# Altium PCB MatrixRE.PcbDoc (part 2 of 3)
Units mm, origin at the board's own origin, x right, y up, seen from the top; angles counter-clockwise.
Board outline 200 x 200.9 mm, 2 copper layers (Top Layer, Bottom Layer), stack 1.55 mm thick; 298 components, 208 nets, 865 pads, 440 vias.
Unrouted connection lines stored in the file: 1.
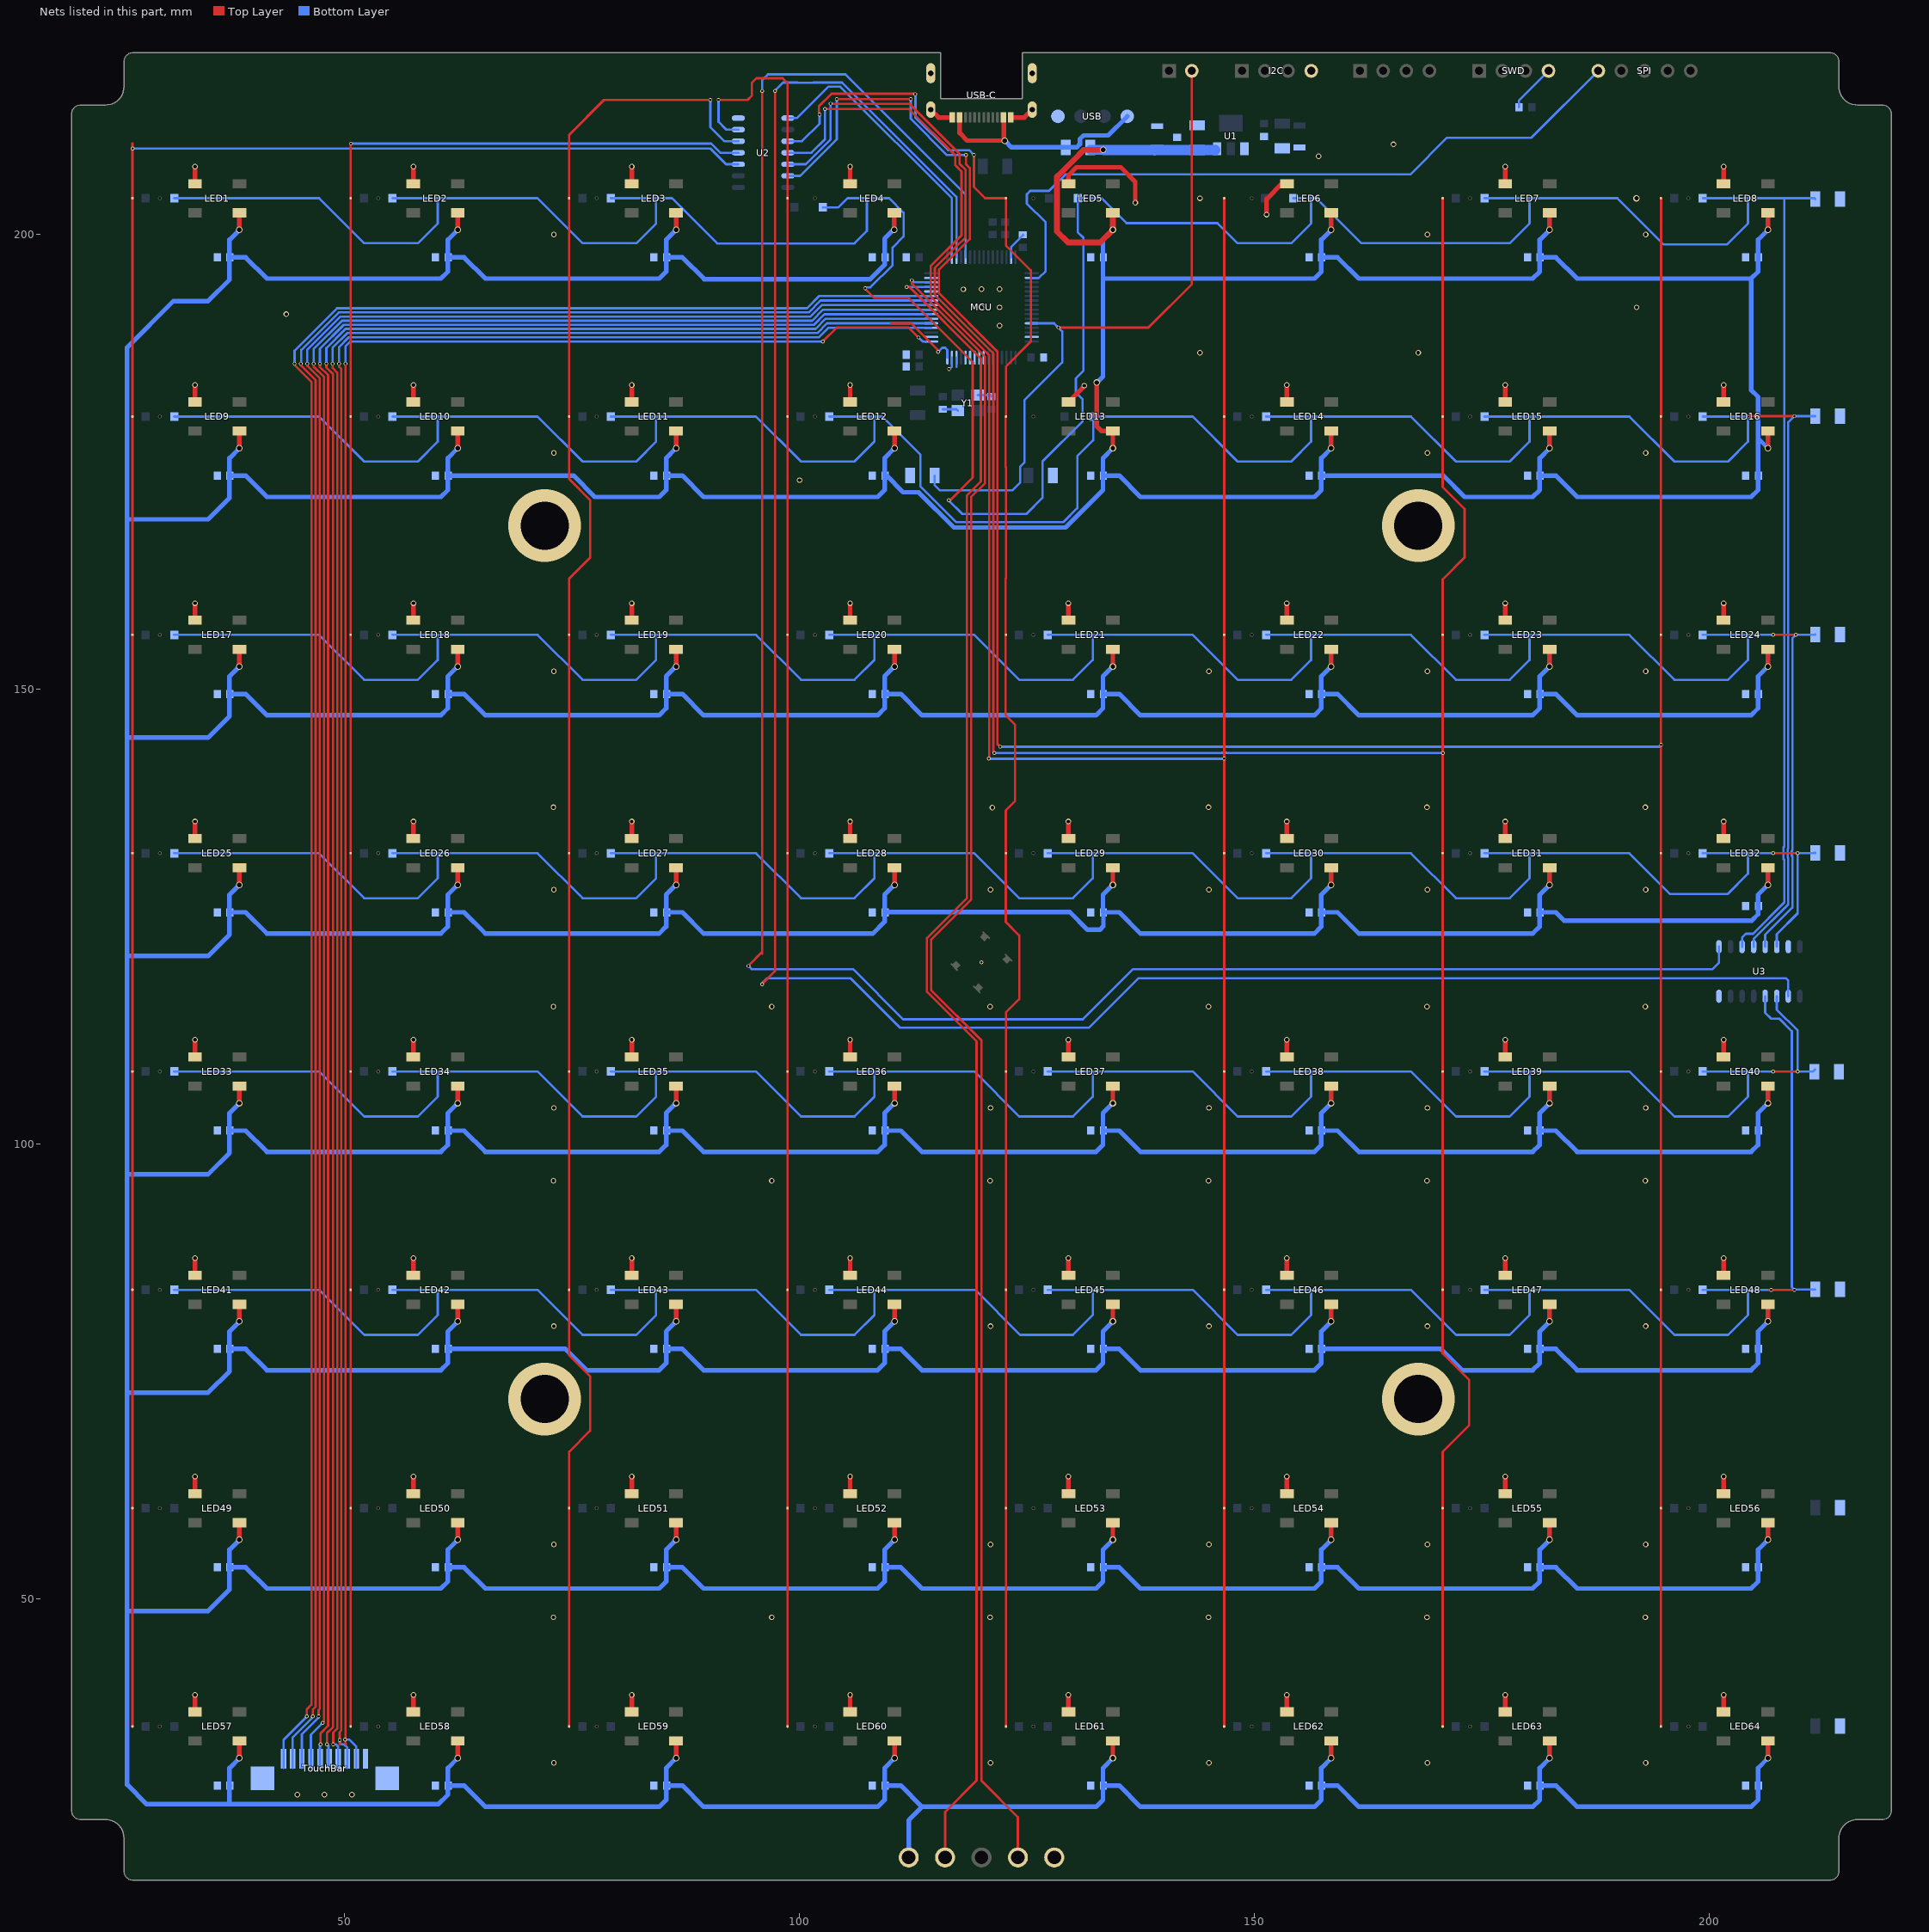
[diagram p2: the nets of this part, all layers, seen from the top]

## Via types
v1: diameter 0.406, hole 0.254, Top Layer to Bottom Layer, tented both sides, 214 vias
v2: diameter 0.61, hole 0.406, Top Layer to Bottom Layer, tented both sides, 142 vias
v3: diameter 0.711, hole 0.508, Top Layer to Bottom Layer, tented both sides, 71 vias
v4: diameter 0.305, hole 0.203, Top Layer to Bottom Layer, tented both sides, 9 vias
v5: diameter 8, hole 5.3, Top Layer to Bottom Layer, 4 vias

## Nets (pads, with @x,y where several pads share a name; then routed paths per layer and width w, separated by ;. In a path a pad name is that pad's centre, name@x,y a point inside that pad or via, vN(x,y) a via of type N, cw(c..) or ccw(c..) an arc to the next point about the centre after c; other vN are vias at no path point) (continued)
+5: C1.2@37.4,197.5 C2.2@61.4,197.5 C3.2@85.4,197.5 C4.2@109.4,197.5 C5.2@133.4,197.5 C6.2@157.4,197.5 C7.2 C8.2 C9.2 C10.2@181.4,173.5 C11.2@157.4,173.5 C12.2 C13.2@109.4,173.5 C14.2 C15.2 C16.2 C17.2 C18.2 C19.2 C20.2 C21.2 C22.2 C23.2 C24.2 C25.2 C26.2 C27.2 C28.2 C29.2 C30.2 C31.2 C32.2 C33.2 C34.2 C35.2 C36.2 C37.2 C38.2 C39.2 C40.2 C41.2 C42.2 C43.2 C44.2 C45.2 C46.2 C47.2 C48.2 C49.2 C50.2 C51.2 C52.2 C53.2 C54.2 C55.2 C56.2 C57.2 C58.2 C59.2 C60.2 C61.2 C62.2 C63.2 C64.2 D1.2@139.302,209.524 LED1.1 LED2.1 LED3.1 LED4.1 LED5.1 LED6.1 LED7.1 LED8.1 LED9.1 LED10.1 LED11.1 LED12.1 LED13.1 LED14.1 LED15.1 LED16.1 LED17.1 LED18.1 LED19.1 LED20.1 LED21.1 LED22.1 LED23.1 LED24.1 LED25.1 LED26.1 LED27.1 LED28.1 LED29.1 LED30.1 LED31.1 LED32.1 LED33.1 LED34.1 LED35.1 LED36.1 LED37.1 LED38.1 LED39.1 LED40.1 LED41.1 LED42.1 LED43.1 LED44.1 LED45.1 LED46.1 LED47.1 LED48.1 LED49.1 LED50.1 LED51.1 LED52.1 LED53.1 LED54.1 LED55.1 LED56.1 LED57.1 LED58.1 LED59.1 LED60.1 LED61.1 LED62.1 LED63.1 LED64.1 pad.5 PPTC.2 U1.3 | length 2174.4
  Top Layer w0.508: v3(38.438,32.52) LED57.1@38.438,34.4 ; v3(38.438,56.52) LED49.1@38.438,58.4 ; v3(38.438,80.52) LED41.1@38.438,82.4 ; v3(38.438,104.52) LED33.1@38.438,106.4 ; v3(38.438,128.52) LED25.1@38.438,130.4 ; v3(38.438,152.52) LED17.1@38.438,154.4 ; v3(38.438,176.52) LED9.1@38.438,178.4 ; v3(38.438,200.52) LED1.1@38.438,202.4 ; v3(62.438,32.52) LED58.1@62.438,34.4 ; v3(62.438,56.52) LED50.1@62.438,58.4 ; v3(62.438,80.52) LED42.1@62.438,82.4 ; v3(62.438,104.52) LED34.1@62.438,106.4 ; v3(62.438,128.52) LED26.1@62.438,130.4 ; v3(62.438,152.52) LED18.1@62.438,154.4 ; v3(62.438,176.52) LED10.1@62.438,178.4 ; v3(62.438,200.52) LED2.1@62.438,202.4 ; v3(86.438,32.52) LED59.1@86.438,34.4 ; v3(86.438,56.52) LED51.1@86.438,58.4 ; v3(86.438,80.52) LED43.1@86.438,82.4 ; v3(86.438,104.52) LED35.1@86.438,106.4 ; v3(86.438,128.52) LED27.1@86.438,130.4 ; v3(86.438,152.52) LED19.1@86.438,154.4 ; v3(86.438,176.52) LED11.1@86.438,178.4 ; v3(86.438,200.52) LED3.1@86.438,202.4 ; v3(110.4,200.52) 110.4,202.361 LED4.1@110.438,202.4 ; v3(110.438,32.52) LED60.1@110.438,34.4 ; v3(110.438,56.52) LED52.1@110.438,58.4 ; v3(110.438,80.52) LED44.1@110.438,82.4 ; v3(110.438,104.52) LED36.1@110.438,106.4 ; v3(110.438,128.52) LED28.1@110.438,130.4 ; v3(110.438,152.52) LED20.1@110.438,154.4 ; v3(110.438,176.52) LED12.1@110.438,178.4 ; v3(132.68,183.73) 132.68,178.91 133.19,178.4 LED13.1@134.438,178.4 v3(134.438,176.52) ; v3(134.438,32.52) LED61.1@134.438,34.4 ; v3(134.438,56.52) LED53.1@134.438,58.4 ; v3(134.438,80.52) LED45.1@134.438,82.4 ; v3(134.438,104.52) LED37.1@134.438,106.4 ; v3(134.438,128.52) LED29.1@134.438,130.4 ; v3(134.438,152.52) LED21.1@134.438,154.4 ; v3(158.438,32.52) LED62.1@158.438,34.4 ; v3(158.438,56.52) LED54.1@158.438,58.4 ; v3(158.438,80.52) LED46.1@158.438,82.4 ; v3(158.438,104.52) LED38.1@158.438,106.4 ; v3(158.438,128.52) LED30.1@158.438,130.4 ; v3(158.438,152.52) LED22.1@158.438,154.4 ; v3(158.438,176.52) LED14.1@158.438,178.4 ; v3(158.438,200.52) LED6.1@158.438,202.4 ; v3(182.438,32.52) LED63.1@182.438,34.4 ; v3(182.438,56.52) LED55.1@182.438,58.4 ; v3(182.438,80.52) LED47.1@182.438,82.4 ; v3(182.438,104.52) LED39.1@182.438,106.4 ; v3(182.438,128.52) LED31.1@182.438,130.4 ; v3(182.438,152.52) LED23.1@182.438,154.4 ; v3(182.438,176.52) LED15.1@182.438,178.4 ; v3(182.438,200.52) LED7.1@182.438,202.4 ; v3(206.438,32.52) LED64.1@206.438,34.4 ; v3(206.438,56.52) LED56.1@206.438,58.4 ; v3(206.438,80.52) LED48.1@206.438,82.4 ; v3(206.438,104.52) LED40.1@206.438,106.4 ; v3(206.438,128.52) LED32.1@206.438,130.4 ; v3(206.438,152.52) LED24.1@206.438,154.4 ; v3(206.438,176.52) LED16.1@206.438,178.4 ; v3(206.438,200.52) LED8.1@206.438,202.4
  Top Layer w0.635: 128.79,206.853 128.294,206.356 128.294,200.344 129.51,199.127 133.046,199.127 v3(134.438,200.52) LED5.1@134.438,202.4 ; 128.79,206.853 130.112,208.176 131.267,209.33 v3(133.37,209.33)
  Bottom Layer w0.508: C64.2@37.35,29.5 37.35,31.431 v3(38.438,32.52) ; C64.2@37.4,29.5 37.35,29.45 37.35,27.45 ; v3(38.438,56.52) 37.35,55.431 C56.2@37.35,53.5 ; v3(38.438,80.52) 37.35,79.431 C48.2@37.35,77.5 ; v3(38.438,104.52) 37.35,103.431 C40.2@37.35,101.5 ; v3(38.438,128.52) 37.35,127.431 C32.2@37.35,125.5 ; v3(38.438,152.52) 37.35,151.431 C24.2@37.35,149.5 ; v3(38.438,176.52) 37.35,175.431 C16.2@37.35,173.5 ; v3(38.438,200.52) 37.35,199.431 C1.2@37.35,197.5 ; v3(62.438,32.52) 61.35,31.431 C63.2@61.35,29.5 ; v3(62.438,56.52) 61.35,55.431 C55.2@61.35,53.5 ; v3(62.438,80.52) 61.35,79.431 C47.2@61.35,77.5 ; v3(62.438,104.52) 61.35,103.431 C39.2@61.35,101.5 ; v3(62.438,128.52) 61.35,127.431 C31.2@61.35,125.5 ; v3(62.438,152.52) 61.35,151.431 C23.2@61.35,149.5 ; v3(62.438,176.52) 61.35,175.431 C15.2@61.35,173.5 ; v3(62.438,200.52) 61.35,199.431 C2.2@61.35,197.5 ; v3(86.438,32.52) 85.35,31.431 C62.2@85.35,29.5 ; v3(86.438,56.52) 85.35,55.431 C54.2@85.35,53.5 ; v3(86.438,80.52) 85.35,79.431 C46.2@85.35,77.5 ; v3(86.438,104.52) 85.35,103.431 C38.2@85.35,101.5 ; v3(86.438,128.52) 85.35,127.431 C30.2@85.35,125.5 ; v3(86.438,152.52) 85.35,151.431 C22.2@85.35,149.5 ; v3(86.438,176.52) 85.35,175.431 C14.2@85.35,173.5 ; v3(86.438,200.52) 85.35,199.431 C3.2@85.35,197.5 ; v3@110.25,200.45 109.35,199.55 109.35,196.68 107.77,195.1 89.531,195.1 87.131,197.5 C3.2@85.35,197.5 ; v3(110.438,32.52) 109.35,31.431 C61.2@109.35,29.5 ; v3(110.438,56.52) 109.35,55.431 C53.2@109.35,53.5 ; v3(110.438,80.52) 109.35,79.431 C45.2@109.35,77.5 ; v3(110.438,104.52) 109.35,103.431 C37.2@109.35,101.5 ; v3(110.438,128.52) 109.35,127.431 C29.2@109.35,125.5 ; v3(110.438,152.52) 109.35,151.431 C21.2@109.35,149.5 ; v3(110.438,176.52) 109.35,175.431 C13.2@109.35,173.5 ; pad.5@112,21.6 112,25.695 113.468,27.163 ; v3(132.68,183.73) 133.35,184.4 133.35,195.163 ; C28.2@133.35,125.5 133.35,127.431 v3(134.438,128.52) ; v3(134.438,32.52) 133.35,31.431 C60.2@133.35,29.5 ; v3(134.438,56.52) 133.35,55.431 C52.2@133.35,53.5 ; v3(134.438,80.52) 133.35,79.431 C44.2@133.35,77.5 ; v3(134.438,104.52) 133.35,103.431 C36.2@133.35,101.5 ; v3(134.438,152.52) 133.35,151.431 C20.2@133.35,149.5 ; v3(134.438,176.52) 133.35,175.431 C12.2@133.35,173.5 ; v3(134.438,200.52) 133.35,199.431 133.35,195.163 ; v3(158.438,32.52) 157.35,31.431 C59.2@157.35,29.5 ; v3(158.438,56.52) 157.35,55.431 C51.2@157.35,53.5 ; v3(158.438,80.52) 157.35,79.431 C43.2@157.35,77.5 ; v3(158.438,104.52) 157.35,103.431 C35.2@157.35,101.5 ; v3(158.438,128.52) 157.35,127.431 C27.2@157.35,125.5 ; v3(158.438,152.52) 157.35,151.431 C19.2@157.35,149.5 ; v3(158.438,176.52) 157.35,175.431 C11.2@157.35,173.5 ; v3(158.438,200.52) 157.35,199.431 C6.2@157.35,197.5 ; v3(182.438,32.52) 181.35,31.431 C58.2@181.35,29.5 ; v3(182.438,56.52) 181.35,55.431 C50.2@181.35,53.5 ; v3(182.438,80.52) 181.35,79.431 C42.2@181.35,77.5 ; v3(182.438,104.52) 181.35,103.431 C34.2@181.35,101.5 ; v3(182.438,128.52) 181.35,127.431 C26.2@181.35,125.5 ; v3(182.438,152.52) 181.35,151.431 C18.2@181.35,149.5 ; v3(182.438,176.52) 181.35,175.431 C10.2@181.35,173.5 ; v3(182.438,200.52) 181.35,199.431 C7.2@181.35,197.5 ; C9.2@205.4,173.5 C9.2@205.35,173.5 ; v3(206.438,32.52) 205.35,31.431 205.35,27.929 204.584,27.163 185.468,27.163 183.131,29.5 C58.2@181.35,29.5 ; v3(206.438,56.52) 205.35,55.431 205.35,51.929 204.584,51.163 185.468,51.163 183.131,53.5 C50.2@181.35,53.5 ; v3(206.438,80.52) 205.35,79.431 205.35,75.929 204.584,75.163 185.468,75.163 183.131,77.5 C42.2@181.35,77.5 ; v3(206.438,104.52) 205.35,103.431 205.35,99.929 204.584,99.163 185.468,99.163 183.131,101.5 C34.2@181.35,101.5 ; v3(206.438,128.52) 205.35,127.431 205.35,125.29 204.66,124.6 184.031,124.6 183.131,125.5 C26.2@181.35,125.5 ; v3(206.438,152.52) 205.35,151.431 205.35,147.929 204.584,147.163 185.468,147.163 183.131,149.5 C18.2@181.35,149.5 ; v3(206.438,176.52) 205.35,177.608 ; v3(206.438,200.52) 205.35,199.431 205.35,195.929 204.584,195.163 ; 26.1,48.7 35,48.7 37.35,51.05 C56.2@37.35,53.5 ; 26.1,48.7 26.1,72.7 ; 26.1,48.7 26.1,29.6 28.25,27.45 37.35,27.45 ; 26.1,72.7 26.1,96.7 ; 26.1,72.7 35,72.7 37.35,75.05 C48.2@37.35,77.5 ; 26.1,96.7 26.1,120.7 ; 26.1,96.7 35,96.7 37.35,99.05 C40.2@37.35,101.5 ; 26.1,120.7 26.1,144.7 ; 26.1,120.7 35,120.7 37.35,123.05 C32.2@37.35,125.5 ; 26.1,144.7 26.1,168.7 ; 26.1,144.7 35,144.7 37.35,147.05 C24.2@37.35,149.5 ; 26.1,168.7 26.1,187.6 31.2,192.7 35,192.7 37.35,195.05 C1.2@37.35,197.5 ; 26.1,168.7 35,168.7 37.35,171.05 C16.2@37.35,173.5 ; 37.35,27.45 60.3,27.45 61.35,28.5 C63.2@61.35,29.5 ; C56.2@37.35,53.5 39.131,53.5 41.468,51.163 60.584,51.163 61.35,51.929 C55.2@61.35,53.5 ; C48.2@37.35,77.5 39.131,77.5 41.468,75.163 60.584,75.163 61.35,75.929 C47.2@61.35,77.5 ; C40.2@37.35,101.5 39.131,101.5 41.468,99.163 60.584,99.163 61.35,99.929 C39.2@61.35,101.5 ; C32.2@37.35,125.5 39.131,125.5 41.468,123.163 60.584,123.163 61.35,123.929 C31.2@61.35,125.5 ; C24.2@37.35,149.5 39.131,149.5 41.468,147.163 60.584,147.163 61.35,147.929 C23.2@61.35,149.5 ; C16.2@37.35,173.5 39.131,173.5 41.468,171.163 60.584,171.163 61.35,171.929 C15.2@61.35,173.5 ; C1.2@37.35,197.5 39.131,197.5 41.468,195.163 60.584,195.163 61.35,195.929 C2.2@61.35,197.5 ; C63.2@61.35,29.5 63.131,29.5 65.468,27.163 84.584,27.163 85.35,27.929 C62.2@85.35,29.5 ; C55.2@61.35,53.5 63.131,53.5 65.468,51.163 84.584,51.163 85.35,51.929 C54.2@85.35,53.5 ; C47.2@61.35,77.5 74.263,77.5 76.6,75.163 84.584,75.163 85.35,75.929 C46.2@85.35,77.5 ; C39.2@61.35,101.5 63.131,101.5 65.468,99.163 84.584,99.163 85.35,99.929 C38.2@85.35,101.5 ; C31.2@61.35,125.5 63.131,125.5 65.468,123.163 84.584,123.163 85.35,123.929 C30.2@85.35,125.5 ; C23.2@61.35,149.5 63.131,149.5 65.468,147.163 84.584,147.163 85.35,147.929 C22.2@85.35,149.5 ; C15.2@61.35,173.5 75.163,173.5 77.5,171.163 84.584,171.163 85.35,171.929 C14.2@85.35,173.5 ; C2.2@61.35,197.5 63.131,197.5 65.468,195.163 84.584,195.163 85.35,195.929 C3.2@85.35,197.5 ; C62.2@85.35,29.5 87.131,29.5 89.468,27.163 108.584,27.163 109.35,27.929 C61.2@109.35,29.5 ; C54.2@85.35,53.5 87.131,53.5 89.468,51.163 108.584,51.163 109.35,51.929 C53.2@109.35,53.5 ; C46.2@85.35,77.5 87.131,77.5 89.468,75.163 108.584,75.163 109.35,75.929 C45.2@109.35,77.5 ; C38.2@85.35,101.5 87.131,101.5 89.468,99.163 108.584,99.163 109.35,99.929 C37.2@109.35,101.5 ; C30.2@85.35,125.5 87.131,125.5 89.468,123.163 108.052,123.163 109.35,124.462 C29.2@109.35,125.5 ; C22.2@85.35,149.5 87.131,149.5 89.468,147.163 108.584,147.163 109.35,147.929 C21.2@109.35,149.5 ; C14.2@85.35,173.5 87.131,173.5 89.468,171.163 108.584,171.163 109.35,171.929 C13.2@109.35,173.5 ; C61.2@109.35,29.5 111.131,29.5 113.468,27.163 ; C53.2@109.35,53.5 111.131,53.5 113.468,51.163 132.584,51.163 133.35,51.929 C52.2@133.35,53.5 ; C45.2@109.35,77.5 111.131,77.5 113.468,75.163 132.584,75.163 133.35,75.929 C44.2@133.35,77.5 ; C37.2@109.35,101.5 111.131,101.5 113.468,99.163 132.584,99.163 133.35,99.929 C36.2@133.35,101.5 ; C29.2@109.35,125.5 109.38,125.53 129.7,125.53 131.65,123.58 133.001,123.58 133.4,123.979 C28.2@133.4,125.5 135.131,125.5 137.468,123.163 156.584,123.163 157.35,123.929 C27.2@157.35,125.5 ; C21.2@109.35,149.5 111.131,149.5 113.468,147.163 132.584,147.163 133.35,147.929 C20.2@133.35,149.5 ; C13.2@109.35,173.5 109.56,173.5 111.38,171.68 113.098,171.68 116.978,167.8 129.221,167.8 133.35,171.929 C12.2@133.35,173.5 ; 113.468,27.163 132.584,27.163 133.35,27.929 C60.2@133.35,29.5 ; C60.2@133.35,29.5 135.131,29.5 137.468,27.163 156.584,27.163 157.35,27.929 C59.2@157.35,29.5 ; C52.2@133.35,53.5 135.131,53.5 137.468,51.163 156.584,51.163 157.35,51.929 C51.2@157.35,53.5 ; C44.2@133.35,77.5 135.131,77.5 137.468,75.163 156.584,75.163 157.35,75.929 C43.2@157.35,77.5 ; C36.2@133.35,101.5 135.131,101.5 137.468,99.163 156.584,99.163 157.35,99.929 C35.2@157.35,101.5 ; C20.2@133.35,149.5 135.131,149.5 137.468,147.163 156.584,147.163 157.35,147.929 C19.2@157.35,149.5 ; C12.2@133.35,173.5 135.131,173.5 137.468,171.163 156.584,171.163 157.35,171.929 C11.2@157.35,173.5 ; 133.35,195.163 156.584,195.163 157.35,195.929 C6.2@157.35,197.5 ; C59.2@157.35,29.5 159.131,29.5 161.468,27.163 180.584,27.163 181.35,27.929 C58.2@181.35,29.5 ; C51.2@157.35,53.5 159.131,53.5 161.468,51.163 180.584,51.163 181.35,51.929 C50.2@181.35,53.5 ; C43.2@157.35,77.5 170.49,77.5 172.827,75.163 180.584,75.163 181.35,75.929 C42.2@181.35,77.5 ; C35.2@157.35,101.5 159.131,101.5 161.468,99.163 180.584,99.163 181.35,99.929 C34.2@181.35,101.5 ; C27.2@157.35,125.5 159.131,125.5 161.468,123.163 180.584,123.163 181.35,123.929 C26.2@181.35,125.5 ; C19.2@157.35,149.5 159.131,149.5 161.468,147.163 180.584,147.163 181.35,147.929 C18.2@181.35,149.5 ; C11.2@157.35,173.5 170.759,173.5 173.095,171.163 180.584,171.163 181.35,171.929 C10.2@181.35,173.5 ; C6.2@157.35,197.5 159.131,197.5 161.468,195.163 180.584,195.163 181.35,195.929 C7.2@181.35,197.5 ; C10.2@181.35,173.5 183.131,173.5 185.468,171.163 204.584,171.163 205.35,171.929 C9.2@205.35,173.5 ; C7.2@181.35,197.5 183.131,197.5 185.468,195.163 204.584,195.163 ; 204.584,195.163 204.584,182.916 205.35,182.15 205.35,177.608 ; C9.2@205.35,173.5 205.35,177.608
  Bottom Layer w1.1: PPTC.2@131.963,209.33 v3(133.37,209.33) 133.4,209.3 D1.2@138.965,209.3 ; U1.3@145.719,209.3 C9.2@143.7,209.3 D1.2@139.078,209.3 ; D1.2@138.965,209.3 139.021,209.244 D1.2@139.078,209.3 ; D1.2@138.965,209.3 D1.2@139.078,209.3
+5RAW: PPTC.1 USB-C.A4 USB-C.A9 USB.4 | length 25.1
  Top Layer w0.508: USB-C.A9@117.6,212.875 117.6,211.17 118.434,210.336 v3@122.563,210.336 ; USB-C.A4@122.4,212.875 122.446,212.829 122.446,210.453 v3@122.563,210.336 ; v3(122.57,210.33) v3@122.563,210.336
  Bottom Layer w0.508: v3(122.57,210.33) 123.3,209.6 PPTC.1@129.263,209.6 130.47,209.6 130.82,209.95 130.82,210.499 131.225,210.904 133.924,210.904 USB.4@136.02,213
Analog0: MCU.14 | length 1
  Bottom Layer w0.254: 117.25,185.469 MCU.14@117.25,186.475
Analog1: MCU.15 | length 1.4
  Bottom Layer w0.254: v1(116.44,185.23) 116.492,185.23 116.501,185.22 116.75,185.469 MCU.15@116.75,186.475
Analog2: MCU.16 | length 8.7
  Top Layer w0.254: 110.08,190.244 112.276,190.244 115.23,187.29 v1(115.23,187.1)
  Bottom Layer w0.254: v1(115.23,187.1) 115.68,187.55 116.02,187.55 116.25,187.32 MCU.16@116.25,186.475
Analog3: MCU.17 TouchBar.2 | length 222.7
  Top Layer w0.254: v1(50.1,185.8) 50.1,40.029 50.1,34.098 50.161,34.037 ; v1(102.551,188.24) 104.101,189.79 111.98,189.79 v1(113.08,188.69)
  Bottom Layer w0.254: v1(50.07,34.56) 50.51,34.56 51.3,33.77 TouchBar.2@51.3,31.45 ; v1(50.1,185.8) 50.1,187.7 50.65,188.25 102.346,188.25 ; v1(113.08,188.69) 113.53,188.24 MCU.17@113.91,188.24
Analog4: MCU.20 TouchBar.3 | length 223.3
  Top Layer w0.254: v1(49.4,185.8) 49.4,185.483 49.646,185.238 49.646,40.029 49.646,35.564 49.461,35.379 49.485,35.354 49.46,35.328 v1(49.46,34.5) 49.461,34.037
  Bottom Layer w0.254: v1(49.4,185.8) 49.4,187.642 50.48,188.722 102.14,188.722 103.168,189.75 MCU.20@114.475,189.75 ; v1(49.46,34.5) 49.46,34.29 49.72,34.03 49.956,34.03 50.3,33.685 TouchBar.3@50.3,31.45
Analog5: MCU.21 TouchBar.4 | length 223.8
  Top Layer w0.254: v1(48.7,185.8) 48.7,185.329 49.192,184.837 49.192,40.029 49.192,35.752 48.761,35.321 v1(48.761,34.037)
  Bottom Layer w0.254: v1(48.7,185.8) 48.7,187.584 50.292,189.176 101.952,189.176 103.026,190.25 MCU.21@114.475,190.25 ; v1(48.761,34.037) 49.023,34.037 49.3,33.76 TouchBar.4@49.3,31.45
Analog6: MCU.22 TouchBar.5 | length 224.6
  Top Layer w0.254: v1(48,185.8) 48,185.387 48.738,184.649 48.738,40.029 48.738,35.94 48.061,35.263 v1(48.061,34.037)
  Bottom Layer w0.254: v1(48,185.8) 48,187.526 50.104,189.63 101.764,189.63 102.884,190.75 MCU.22@114.475,190.75 ; v1(48.061,34.037) 48.23,33.867 48.23,31.52 TouchBar.5@48.3,31.45
Analog7: MCU.23 TouchBar.6 | length 225.6
  Top Layer w0.254: v1(47.3,185.8) 47.3,185.445 48.184,184.561 48.184,40.029 48.184,36.07 47.361,35.247 v1(47.361,34.037)
  Bottom Layer w0.254: v1(47.3,185.8) 47.3,187.468 49.916,190.084 101.576,190.084 102.742,191.25 MCU.23@114.475,191.25 ; TouchBar.6@47.361,31.511 47.3,31.45 47.3,33.976 v1(47.361,34.037)
Analog8: MCU.24 TouchBar.7 | length 226.7
  Top Layer w0.254: v1(46.6,185.8) 46.6,185.502 47.73,184.372 47.73,40.029 47.73,36.53 v1(47.6,36.4)
  Bottom Layer w0.254: TouchBar.7@46.3,31.45 46.3,35.1 47.29,36.09 v1(47.6,36.4) ; v1(46.6,185.8) 46.6,187.41 49.728,190.538 101.388,190.538 102.6,191.75 MCU.24@114.475,191.75
Analog9: MCU.25 TouchBar.8 | length 227.9
  Top Layer w0.254: v1(45.9,185.8) 45.9,185.56 47.276,184.184 47.276,40.029 47.276,37.948 47.15,37.822 v1(47.15,37.1)
  Bottom Layer w0.254: TouchBar.8@45.3,31.45 45.3,35.15 47.15,37 v1(47.15,37.1) ; v1(45.9,185.8) 45.9,187.352 49.54,190.992 101.2,190.992 102.458,192.25 MCU.25@114.475,192.25
Analog10: MCU.26 TouchBar.9 | length 229.1
  Top Layer w0.254: v1(45.2,185.8) 45.2,185.618 46.822,183.996 46.822,40.029 46.822,38.178 46.5,37.856 v1(46.5,37.1)
  Bottom Layer w0.254: TouchBar.9@44.3,31.45 44.3,34.8 46.38,36.88 46.38,36.98 v1(46.5,37.1) ; v1(45.2,185.8) 45.247,185.847 45.247,187.341 49.352,191.446 101.012,191.446 102.316,192.75 MCU.26@114.475,192.75
Analog11: MCU.27 TouchBar.10 | length 230.3
  Top Layer w0.254: v1(44.5,185.8) 44.5,185.676 46.368,183.808 46.368,183.132 46.368,40.029 46.368,38.388 45.85,37.87 v1(45.85,37.1)
  Bottom Layer w0.254: TouchBar.10@43.3,31.45 43.3,34.55 v1(45.85,37.1) ; v1(44.5,185.8) 44.5,187.236 49.164,191.9 100.824,191.9 102.174,193.25 MCU.27@114.475,193.25
Analog12: MCU.8
Analog13: MCU.9
Analog14: MCU.10
Analog15: MCU.11
BOOT0: MCU.60 pad.2@143.12,218 R9.2 | length 73.4
  Top Layer w0.254: v1(128.459,189.769) 138.339,189.769 143.12,194.55 pad.2@143.12,218
  Bottom Layer w0.254: R9.2@114.858,173.5 114.858,172.454 115.433,171.879 123.387,171.879 124.26,172.752 124.26,174.494 124.716,174.95 124.716,181.789 128.878,185.951 128.878,189.351 v1(128.459,189.769) 127.979,190.25 MCU.60@125.525,190.25
CS1: MCU.50 SPI.1 | length 79.5
  Bottom Layer w0.254: MCU.50@125.525,195.25 126.314,195.25 127.049,195.985 127.049,201.351 124.993,203.407 124.993,204.44 125.355,204.802 127.421,204.802 129.237,206.618 167.142,206.618 171.181,210.657 180.447,210.657 SPI.1@187.79,218
EXTRX: MCU.30 pad.2@124,21.6 | length 185.3
  Top Layer w0.254: v1(112.35,194.98) 112.35,194.604 120.39,186.564 120.39,172.674 118.861,171.145 118.861,126.887 114.465,122.491 114.465,116.946 120,111.411 120,30.04 124,26.04 pad.2@124,21.6
  Bottom Layer w0.254: v1(112.35,194.98) 112.58,194.75 MCU.30@114.475,194.75
EXTTX: MCU.29 pad.4 | length 185
  Top Layer w0.254: v1(111.78,194.25) 112.062,194.25 119.936,186.376 119.936,172.862 118.407,171.333 118.407,170.517 118.407,127.075 114.011,122.679 114.011,116.758 119.463,111.306 119.463,30.063 116,26.6 pad.4@116,21.6
  Bottom Layer w0.254: v1(111.78,194.25) MCU.29@114.475,194.25
GND: 3.1 C1.1 C2.1 C3.1 C4.1 C5.1 C6.1 C7.1 C8.1 C9.1 C10.1 C11.1 C12.1 C13.1 C14.1 C15.1 C16.1 C17.1 C18.1 C19.1 C20.1 C21.1 C22.1 C23.1 C24.1 C25.1 C26.1 C27.1 C28.1 C29.1 C30.1 C31.1 C32.1 C33.1 C34.1 C35.1 C36.1 C37.1 C38.1 C39.1 C40.1 C41.1 C42.1 C43.1 C44.1 C45.1 C46.1 C47.1 C48.1 C49.1 C50.1 C51.1 C52.1 C53.1 C54.1 C55.1 C56.1 C57.1 C58.1 C59.1 C60.1 C61.1 C62.1 C63.1 C64.1 C65.2 D1.1@139.302,211.924 I2C.4 LED1.3 LED2.3 LED3.3 LED4.3 LED5.3 LED6.3 LED7.3 LED8.3 LED9.3 LED10.3 LED11.3 LED12.3 LED13.3 LED14.3 LED15.3 LED16.3 LED17.3 LED18.3 LED19.3 LED20.3 LED21.3 LED22.3 LED23.3 LED24.3 LED25.3 LED26.3 LED27.3 LED28.3 LED29.3 LED30.3 LED31.3 LED32.3 LED33.3 LED34.3 LED35.3 LED36.3 LED37.3 LED38.3 LED39.3 LED40.3 LED41.3 LED42.3 LED43.3 LED44.3 LED45.3 LED46.3 LED47.3 LED48.3 LED49.3 LED50.3 LED51.3 LED52.3 LED53.3 LED54.3 LED55.3 LED56.3 LED57.3 LED58.3 LED59.3 LED60.3 LED61.3 LED62.3 LED63.3 LED64.3 MCU.12 MCU.18 MCU.28 MCU.31 MCU.47 MCU.63 pad.1@128,21.6 R1.2@214.35,203.9 R2.2 R3.2@214.35,156.045 R4.2@214.35,132.045 R5.2 R6.2 R7.2@214.35,60.045 R8.2 R9.1 SWD.4 TouchBar.0 TouchBar.1 U1.1 U2.7 U3.8 U3.15 USB-C.0 USB-C.A1 USB-C.A12 USB.1 Y1.2 Y1.4 | length 150.5
  Top Layer w0.508: LED57.3@33.562,37.6 v2(33.562,39.48) ; LED49.3@33.562,61.6 v2(33.562,63.48) ; LED41.3@33.562,85.6 v2(33.562,87.48) ; LED33.3@33.562,109.6 v2(33.562,111.48) ; LED25.3@33.562,133.6 v2(33.562,135.48) ; LED17.3@33.562,157.6 v2(33.562,159.48) ; LED9.3@33.562,181.6 v2(33.562,183.48) ; LED1.3@33.562,205.6 v2(33.562,207.48) ; LED58.3@57.562,37.6 v2(57.562,39.48) ; LED50.3@57.562,61.6 v2(57.562,63.48) ; LED42.3@57.562,85.6 v2(57.562,87.48) ; LED34.3@57.562,109.6 v2(57.562,111.48) ; LED26.3@57.562,133.6 v2(57.562,135.48) ; LED18.3@57.562,157.6 v2(57.562,159.48) ; LED10.3@57.562,181.6 v2(57.562,183.48) ; LED2.3@57.562,205.6 v2(57.562,207.48) ; LED59.3@81.562,37.6 v2(81.562,39.48) ; LED51.3@81.562,61.6 v2(81.562,63.48) ; LED43.3@81.562,85.6 v2(81.562,87.48) ; LED35.3@81.562,109.6 v2(81.562,111.48) ; LED27.3@81.562,133.6 v2(81.562,135.48) ; LED19.3@81.562,157.6 v2(81.562,159.48) ; LED11.3@81.562,181.6 v2(81.562,183.48) ; LED3.3@81.562,205.6 v2(81.562,207.48) ; LED60.3@105.562,37.6 v2(105.562,39.48) ; LED52.3@105.562,61.6 v2(105.562,63.48) ; LED44.3@105.562,85.6 v2(105.562,87.48) ; LED36.3@105.562,109.6 v2(105.562,111.48) ; LED28.3@105.562,133.6 v2(105.562,135.48) ; LED20.3@105.562,157.6 v2(105.562,159.48) ; LED12.3@105.562,181.6 v2(105.562,183.48) ; LED4.3@105.562,205.6 v2(105.562,207.48) ; USB-C.0@114.425,213.74 115.29,212.875 USB-C.A12@116.8,212.875 ; USB-C.A1@123.2,212.875 124.71,212.875 USB-C.0@125.575,213.74 ; LED61.3@129.562,37.6 v2(129.562,39.48) ; LED53.3@129.562,61.6 v2(129.562,63.48) ; LED45.3@129.562,85.6 v2(129.562,87.48) ; LED37.3@129.562,109.6 v2(129.562,111.48) ; LED29.3@129.562,133.6 v2(129.562,135.48) ; LED21.3@129.562,157.6 v2(129.562,159.48) ; LED13.3@129.562,181.6 131.3,183.339 v2(131.3,183.4) ; LED5.3@129.562,205.6 129.562,206.534 130.432,207.404 135.314,207.404 136.9,205.819 v2(136.9,203.5) ; v2(151.34,202.2) 151.34,203.916 153.024,205.6 LED6.3@153.562,205.6 ; LED62.3@153.562,37.6 v2(153.562,39.48) ; LED54.3@153.562,61.6 v2(153.562,63.48) ; LED46.3@153.562,85.6 v2(153.562,87.48) ; LED38.3@153.562,109.6 v2(153.562,111.48) ; LED30.3@153.562,133.6 v2(153.562,135.48) ; LED22.3@153.562,157.6 v2(153.562,159.48) ; LED14.3@153.562,181.6 v2(153.562,183.48) ; LED63.3@177.562,37.6 v2(177.562,39.48) ; LED55.3@177.562,61.6 v2(177.562,63.48) ; LED47.3@177.562,85.6 v2(177.562,87.48) ; LED39.3@177.562,109.6 v2(177.562,111.48) ; LED31.3@177.562,133.6 v2(177.562,135.48) ; LED23.3@177.562,157.6 v2(177.562,159.48) ; LED15.3@177.562,181.6 v2(177.562,183.48) ; LED7.3@177.562,205.6 v2(177.562,207.48) ; LED64.3@201.562,37.6 v2(201.562,39.48) ; LED56.3@201.562,61.6 v2(201.562,63.48) ; LED48.3@201.562,85.6 v2(201.562,87.48) ; LED40.3@201.562,109.6 v2(201.562,111.48) ; LED32.3@201.562,133.6 v2(201.562,135.48) ; LED24.3@201.562,157.6 v2(201.562,159.48) ; LED16.3@201.562,181.6 v2(201.562,183.48) ; LED8.3@201.562,205.6 v2(201.562,207.48)
  Bottom Layer w0.254: C6.1@115.737,180.8 117.25,180.8 Y1.2@117.4,180.65 ; Y1.4@119.6,182.35 120.95,182.35 C5.1@121.1,182.2 ; MCU.47@123.25,197.525 123.25,198.62 124.553,199.924 C1.1@124.553,199.985 ; C65.2@179.08,214 179.08,214.76 SWD.4@182.32,218
  other v1: 120,120
  other v2: 44.8,28.5 47.8,28.5 50.8,28.5 73,32 121,32 145,32 169,32 193,32 72.955,48 96.955,48 120.955,48 144.955,48 168.955,48 192.955,48 73,56 121,56 145,56 169,56 193,56 73,80 121,80 145,80 169,80 193,80 72.955,96 96.955,96 120.955,96 144.955,96 168.955,96 192.955,96 73,104 121,104 145,104 169,104 193,104 72.955,115.12 96.955,115.12 120.955,115.12 144.955,115.12 168.955,115.12 192.955,115.12 73,128 121,128 145,128 169,128 193,128 121.2,137 72.955,137.039 144.955,137.039 168.955,137.039 192.955,137.039 73,152 145,152 169,152 193,152 100,173 73,176 169,176 193,176 144,187 168,187 122,190 43.6,191.25 120,192 122,192 192,192 118.001,193.983 120,194 122,194 73,200 169,200 193,200 144,204 157.05,208.61 165.28,209.92
  other v3: 192,204
  other v5: 72,72 168,72 72,168 168,168
Key1: SW1.1 SW9.1 SW17.1 SW25.1 SW33.1 SW41.1 SW49.1 SW57.1 U2.3 | length 241.3
  Top Layer w0.254: SW57.1@26.682,36.003 SW49.1@26.682,60.003 SW41.1@26.682,84.003 SW33.1@26.682,108.003 SW25.1@26.682,132.003 SW17.1@26.682,156.003 SW9.1@26.682,180.003 SW1.1@26.682,204.003 26.682,210.041
  Bottom Layer w0.254: v1(26.71,209.46) 90.2,209.46 91.93,207.73 U2.3@93.275,207.73
Key2: SW2.1 SW10.1 SW18.1 SW26.1 SW34.1 SW42.1 SW50.1 SW58.1 U2.4 | length 217
  Top Layer w0.254: SW58.1@50.682,36.003 SW50.1@50.682,60.003 SW42.1@50.682,84.003 SW34.1@50.682,108.003 SW26.1@50.682,132.003 SW18.1@50.682,156.003 SW10.1@50.682,180.003 SW2.1@50.682,204.003 v1@50.682,210
  Bottom Layer w0.254: v1(50.692,210) 90.302,210 91.302,209 U2.4@93.275,209
Key3: SW3.1 SW11.1 SW19.1 SW27.1 SW35.1 SW43.1 SW51.1 SW59.1 U2.5 | length 202.6
  Top Layer w0.254: SW59.1@74.682,36.003 SW51.1@74.682,60.003 74.682,66.2 76.98,68.499 76.98,74.501 74.682,76.8 SW43.1@74.682,84.003 SW35.1@74.682,108.003 SW27.1@74.682,132.003 SW19.1@74.682,156.003 74.682,162.2 77,164.518 77,170.8 74.682,173.118 SW11.1@74.682,180.003 SW3.1@74.682,204.003 74.682,210.973 78.509,214.8 v1(90.2,214.8)
  Bottom Layer w0.254: v1(90.2,214.8) 90.2,211.8 91.73,210.27 U2.5@93.275,210.27
Key4: SW4.1 SW12.1 SW20.1 SW28.1 SW36.1 SW44.1 SW52.1 SW60.1 U2.6 | length 195.2
  Top Layer w0.254: v1(91.1,214.8) 94.29,214.8 94.76,215.27 94.76,216.67 95.27,217.18 98.164,217.18 98.682,216.662 SW4.1@98.682,204.003 SW12.1@98.682,180.003 SW20.1@98.682,156.003 SW28.1@98.682,132.003 SW36.1@98.682,108.003 SW44.1@98.682,84.003 SW52.1@98.682,60.003 SW60.1@98.682,36.003
  Bottom Layer w0.254: v1(91.1,214.8) 91.1,212.4 91.96,211.54 U2.6@93.275,211.54
Key5: SW5.1 SW13.1 SW21.1 SW29.1 SW37.1 SW45.1 SW53.1 SW61.1 U2.10 | length 208
  Top Layer w0.254: v1@102.138,213.2 102.138,214.108 103.521,215.491 v1@112.71,215.491 ; v1@119.165,208.77 v1(119.165,208.75) 119.165,205.231 120.394,204.003 SW5.1@122.682,204.003 122.682,198.818 125.43,196.07 125.43,188.242 122.682,185.494 122.682,184.039 SW13.1@122.682,180.003 122.66,179.98 122.66,174.44 122.682,174.418 122.682,162.228 122.66,162.207 122.66,147.159 123.7,146.12 123.7,137.738 122.665,136.703 122.665,124.443 124.15,122.958 124.15,115.957 122.682,114.489 SW45.1@122.682,84.003 SW53.1@122.682,60.003 SW61.1@122.682,36.003
  Bottom Layer w0.254: U2.10@98.725,210.27 100.27,210.27 102.2,212.2 v1(102.2,213.2) ; v1(112.71,215.44) 112.749,215.401 112.749,212.855 116.324,209.28 118.635,209.28 v1(119.165,208.75)
Key6: SW6.1 SW14.1 SW22.1 SW30.1 SW38.1 SW46.1 SW54.1 SW62.1 U2.11 | length 289
  Top Layer w0.254: v1(102.8,213.8) 112.034,213.8 117.13,208.705 117.13,207.619 117.803,206.945 117.803,199.917 114.422,196.536 114.422,193.174 120.844,186.752 120.844,142.57 v1@120.736,142.463 ; SW62.1@146.682,36.003 SW54.1@146.682,60.003 SW46.1@146.682,84.003 SW38.1@146.682,108.003 SW30.1@146.682,132.003 v1(146.682,142.4) 146.682,189.9 SW6.1@146.682,204.003
  Bottom Layer w0.254: U2.11@98.725,209 101.318,209 102.798,210.481 102.798,212.8 102.8,212.801 v1(102.8,213.8) ; v1(120.8,142.4) 120.817,142.383 v1@146.682,142.383
Key7: SW7.1 SW15.1 SW23.1 SW31.1 SW39.1 SW47.1 SW55.1 SW63.1 U2.12 | length 318.2
  Top Layer w0.254: v1(103.4,214.4) 103.431,214.369 112.107,214.369 117.584,208.893 117.584,207.807 118.257,207.133 118.257,199.702 117.106,198.551 117.079,198.551 114.876,196.348 114.876,193.362 121.298,186.94 121.298,143.136 v1(121.406,143.027) ; SW63.1@170.682,36.003 SW55.1@170.682,60.003 170.682,66.2 173.601,69.119 173.601,74.081 170.682,77 SW47.1@170.682,84.003 SW39.1@170.682,108.003 SW31.1@170.682,132.003 SW23.1@170.682,156.003 170.682,162.1 173.1,164.518 173.1,169.848 170.682,172.266 SW15.1@170.682,180.003 170.682,190.8 SW7.1@170.682,204.003
  Bottom Layer w0.254: U2.12@98.725,207.73 100.69,207.73 103.4,210.44 v1(103.4,214.4) ; v1(121.406,143.027) 146.398,143.027 146.415,143.044 146.949,143.044 146.966,143.027 v1(170.7,143.027)
Key8: SW8.1 SW16.1 SW24.1 SW32.1 SW40.1 SW48.1 SW56.1 SW64.1 U2.13 | length 339.6
  Top Layer w0.254: v1(104.1,214.9) v1(112.219,214.9) ; v1@118.3,208.68 118.3,207.732 118.711,207.321 118.711,199.514 117.294,198.097 117.267,198.097 115.33,196.16 115.33,193.55 121.752,187.128 121.752,144.007 v1(122.059,143.7) ; SW64.1@194.682,36.003 SW56.1@194.682,60.003 SW48.1@194.682,84.003 SW40.1@194.682,108.003 SW32.1@194.682,132.003 SW24.1@194.682,156.003 SW16.1@194.682,180.003 194.7,180.021 194.7,203.984 SW8.1@194.682,204.003
  Bottom Layer w0.254: U2.13@98.725,206.46 100.062,206.46 104.1,210.498 v1(104.1,214.9) ; v1(112.219,214.9) 112.219,212.743 116.212,208.75 v1(118.3,208.75) ; v1(122.059,143.7) 194.5,143.7 v1(194.7,143.9)
KeyClock: MCU.34 U2.8 | length 31
  Bottom Layer w0.254: U2.8@98.725,212.81 99.72,212.81 103.164,216.254 104.496,216.254 116.75,204 MCU.34@116.75,197.525
KeyOutCLK: MCU.35 U3.2 | length 250.3
  Top Layer w0.254: v1(95.9,117.6) 97.313,119.013 v1(97.313,215.8)
  Bottom Layer w0.254: v1@95.85,117.65 96.463,118.263 105.587,118.263 111.02,112.83 131.82,112.83 137.253,118.263 207.876,118.263 208.412,118.263 208.675,118 U3.2@208.675,116.275 ; v1(97.313,215.8) 97.313,215.813 98.208,216.708 99.801,216.708 99.803,216.705 101.497,216.705 101.499,216.708 104.684,216.708 117.25,204.142 MCU.35@117.25,197.525
KeyOutClock: 
KeyOutSR: MCU.37 U3.9 | length 246.6
  Top Layer w0.254: v1(94.4,119.6) 94.4,119.657 95.9,121.157 ; 95.9,120.937 95.9,121.157 ; v1(95.9,215.78) 95.9,121.157
  Bottom Layer w0.254: v1(94.4,119.6) 94.746,119.254 105.88,119.254 111.396,113.738 131.146,113.738 136.662,119.254 200.354,119.254 201.055,119.955 U3.9@201.055,121.725 ; v1(95.9,215.78) 95.9,217 96.516,217.616 100.177,217.616 100.179,217.613 101.121,217.613 101.123,217.616 105.061,217.616 118.25,204.427 MCU.37@118.25,197.525
KeyRead1: D1.2@31.275,204 D2.2 D3.2 D4.2 D5.2 D6.2 D7.2 D8.2 R1.1@211.65,203.9 U3.11 | length 397.6
  Top Layer w0.254: v1(107.22,194.09) 107.22,194.031 108.195,193.056 111.972,193.056 119.028,186 119.028,173.277 116.55,170.8 v1(116.4,170.8)
  Bottom Layer w0.254: D1.2@31.275,204 47.211,204 52.156,199.055 58.054,199.055 60.234,201.234 60.234,204 ; D2.2@55.275,204 60.234,204 ; D3.2@79.275,204 84.234,204 ; D4.2@102.575,203 104.275,203 105.275,204 107.4,204 ; v1(107.22,194.09) 107.34,194.21 107.8,194.21 110.227,196.637 110.227,198.587 111.44,199.8 111.44,202.41 109.85,204 107.4,204 ; v1(116.4,170.8) 116.4,170.789 117.9,169.289 124.931,169.289 126.7,171.058 126.7,175.058 131.11,179.468 131.11,181.89 130.37,182.63 130.37,184.206 131.208,185.044 131.208,199.633 130.575,200.266 D5.2@130.575,204 133.2,204 135.931,201.269 145.942,201.269 148.156,199.055 154.054,199.055 156.234,201.234 156.234,204 ; D6.2@154.275,204 156.234,204 ; D7.2@175.275,204 180.234,204 ; D8.2@199.3,204 211.55,204 R1.1@211.65,203.9 ; U3.11@203.595,121.725 203.595,122.724 204.017,123.146 204.8,123.146 208.221,126.567 208.221,131.283 208.147,131.357 208.147,132.643 208.221,132.717 208.221,179.567 ; 204.234,203.9 204.234,201.234 201.914,198.914 194.979,198.914 189.894,204 180.234,204 ; 208.221,179.646 208.221,203.9 ; 60.234,204 71.211,204 76.156,199.055 82.054,199.055 84.234,201.234 84.234,204 ; 84.234,204 85.987,204 90.958,199.029 106.029,199.029 107.4,200.4 107.4,204 ; 156.234,204 156.799,204 161.745,199.055 178.054,199.055 180.234,201.234 180.234,204
KeyRead2: D9.2 D10.2 D11.2 D12.2 D13.2 D14.2 D15.2 D16.2 R2.1@211.65,180.045 U3.12 | length 321.3
  Top Layer w0.254: v1(204.234,180) 204.279,180.045 v1(209.342,180.045)
  Bottom Layer w0.254: D9.2@31.275,180 47.211,180 52.156,175.055 58.054,175.055 60.234,177.234 60.234,180 ; D10.2@55.275,180 60.234,180 ; D11.2@79.275,180 84.234,180 ; D12.2@103.275,180 108.234,180 ; D14.2@151.275,180 156.234,180 ; D15.2@175.275,180 180.234,180 ; D16.2@199.32,180.045 D16.2@199.275,180 v1(204.234,180) 204.234,177.234 202.054,175.055 196.156,175.055 191.211,180 180.234,180 ; U3.12@204.865,121.725 204.865,122.568 208.675,126.378 208.675,131.471 208.601,131.545 208.601,132.455 208.675,132.529 208.675,179.379 v1(209.342,180.045) R2.1@211.65,180.045 ; 60.234,180 71.211,180 76.156,175.055 82.054,175.055 84.234,177.234 84.234,180 ; 84.234,180 95.211,180 100.156,175.055 106.054,175.055 108.234,177.234 108.234,180 ; 108.234,180 109.1,180 113.276,175.824 113.276,172.324 117.219,168.381 128.98,168.381 130.532,169.933 130.532,175.649 132.275,177.393 D13.2@132.275,180 143.211,180 148.156,175.055 154.054,175.055 156.234,177.234 156.234,180 ; 156.234,180 167.211,180 172.156,175.055 178.054,175.055 180.234,177.234 180.234,180
KeyRead3: D17.2 D18.2 D19.2 D20.2 D21.2 D22.2 D23.2 D24.2 R3.1@211.65,156.045 U3.13 | length 290.9
  Top Layer w0.254: v1(207,156) v1(209.5,156)
  Bottom Layer w0.254: D17.2@31.275,156 47.211,156 52.156,151.055 58.054,151.055 60.234,153.234 60.234,156 ; D18.2@55.275,156 60.234,156 ; D19.2@79.275,156 84.234,156 ; D20.2@103.275,156 108.234,156 ; D21.2@127.275,156 132.234,156 ; D22.2@151.275,156 156.234,156 ; D23.2@175.275,156 180.234,156 ; D24.2@199.275,156 204.234,156 ; U3.13@206.135,121.725 206.135,123.035 209.129,126.029 209.129,131.659 209.055,131.733 209.055,132.267 209.129,132.341 209.129,155.629 v1(209.5,156) 211.605,156 R3.1@211.65,156.045 ; v1(207,156) 204.234,156 ; 60.234,156 71.211,156 76.156,151.055 82.054,151.055 84.234,153.234 84.234,156 ; 84.234,156 95.211,156 100.156,151.055 106.054,151.055 108.234,153.234 108.234,156 ; 108.234,156 119.211,156 124.156,151.055 130.054,151.055 132.234,153.234 132.234,156 ; 132.234,156 143.211,156 148.156,151.055 154.054,151.055 156.234,153.234 156.234,156 ; 156.234,156 167.211,156 172.156,151.055 178.054,151.055 180.234,153.234 180.234,156 ; 180.234,156 191.211,156 196.156,151.055 202.054,151.055 204.234,153.234 204.234,156
KeyRead4: D25.2 D26.2 D27.2 D28.2 D29.2 D30.2 D31.2 D32.2 R4.1@211.65,132.045 U3.14 | length 265.7
  Top Layer w0.254: v1(207,132) v1@209.699,132
  Bottom Layer w0.254: D25.2@31.275,132 47.211,132 52.156,127.055 58.054,127.055 60.234,129.234 60.234,132 ; D26.2@55.275,132 60.234,132 ; D27.2@79.275,132 84.234,132 ; D28.2@103.275,132 108.234,132 ; D29.2@127.275,132 132.234,132 ; D30.2@151.275,132 156.234,132 ; D31.2@175.275,132 180.234,132 ; D32.2@199.275,132 204.234,132 ; v1(207,132) 204.234,132 ; U3.14@207.405,121.725 207.405,123.093 209.7,125.388 v1(209.7,132) 211.513,132 211.559,132.045 211.604,132 R4.1@211.65,132.045 ; 60.234,132 71.211,132 76.156,127.055 82.054,127.055 84.234,129.234 84.234,132 ; 84.234,132 95.211,132 100.156,127.055 106.054,127.055 108.234,129.234 108.234,132 ; 108.234,132 119.211,132 124.156,127.055 130.054,127.055 132.234,129.234 132.234,132 ; 132.234,132 143.211,132 148.156,127.055 154.054,127.055 156.234,129.234 156.234,132 ; 156.234,132 167.211,132 172.156,127.055 178.054,127.055 180.234,129.234 180.234,132 ; 180.234,132 191.211,132 195.707,127.504 201.997,127.504 204.234,129.74 204.234,132
KeyRead5: D33.2 D34.2 D35.2 D36.2 D37.2 D38.2 D39.2 D40.2 R5.1 U3.3 | length 264.4
  Top Layer w0.254: v1(207,108) 209.7,108 v1(209.708,107.992)
  Bottom Layer w0.254: D33.2@31.275,108 47.211,108 52.156,103.055 58.054,103.055 60.234,105.234 60.234,108 ; D34.2@55.275,108 60.234,108 ; D35.2@79.275,108 84.234,108 ; D36.2@103.275,108 108.234,108 ; D37.2@127.275,108 132.234,108 ; D38.2@151.275,108 156.234,108 ; D39.2@175.275,108 180.234,108 ; D40.2@199.275,108 204.234,108 ; v1(207,108) 204.234,108 ; U3.3@207.405,116.275 207.405,114.795 209.708,112.492 v1(209.708,107.992) 211.378,107.992 R5.1@211.612,108.226 ; 60.234,108 71.211,108 76.156,103.055 82.054,103.055 84.234,105.234 84.234,108 ; 84.234,108 95.211,108 100.156,103.055 106.054,103.055 108.234,105.234 108.234,108 ; 108.234,108 119.211,108 124.156,103.055 130.054,103.055 132.234,105.234 132.234,108 ; 132.234,108 143.211,108 148.156,103.055 154.054,103.055 156.234,105.234 156.234,108 ; 156.234,108 167.211,108 172.156,103.055 178.054,103.055 180.234,105.234 180.234,108 ; 180.234,108 191.211,108 196.156,103.055 202.054,103.055 204.234,105.234 204.234,108
KeyRead6: D41.2 D42.2 D43.2 D44.2 D45.2 D46.2 D47.2 D48.2 R6.1 U3.4 | length 292
  Top Layer w0.254: v1@206.6,84 v1(206.8,84) v1(209.349,84) v1@207,84
  Bottom Layer w0.254: D41.2@31.275,84 47.211,84 52.156,79.055 58.054,79.055 60.234,81.234 60.234,84 ; D42.2@55.275,84 60.234,84 ; D43.2@79.275,84 84.234,84 ; D44.2@103.275,84 108.234,84 ; D45.2@127.275,84 132.234,84 ; D46.2@151.275,84 156.234,84 ; D47.2@175.275,84 180.234,84 ; D48.2@199.275,84 204.234,84 ; U3.4@206.135,116.275 206.135,114.465 206.792,113.808 207.674,113.808 209.055,112.427 209.055,84.294 v1(209.349,84) 209.395,84.045 R6.1@211.65,84.045 ; v1@207,84 v1(206.8,84) 204.234,84 ; 60.234,84 71.211,84 76.156,79.055 82.054,79.055 84.234,81.234 84.234,84 ; 84.234,84 95.211,84 100.156,79.055 106.054,79.055 108.234,81.234 108.234,84 ; 108.234,84 119.302,84 124.247,79.055 130.054,79.055 132.234,81.234 132.234,84 ; 132.234,84 143.211,84 148.156,79.055 154.054,79.055 156.234,81.234 156.234,84 ; 156.234,84 167.211,84 172.156,79.055 178.054,79.055 180.234,81.234 180.234,84 ; 180.234,84 191.211,84 196.156,79.055 202.054,79.055 204.234,81.234 204.234,84